# Altium PCB Dashcam.PcbDoc (part 1 of 6) (continued)
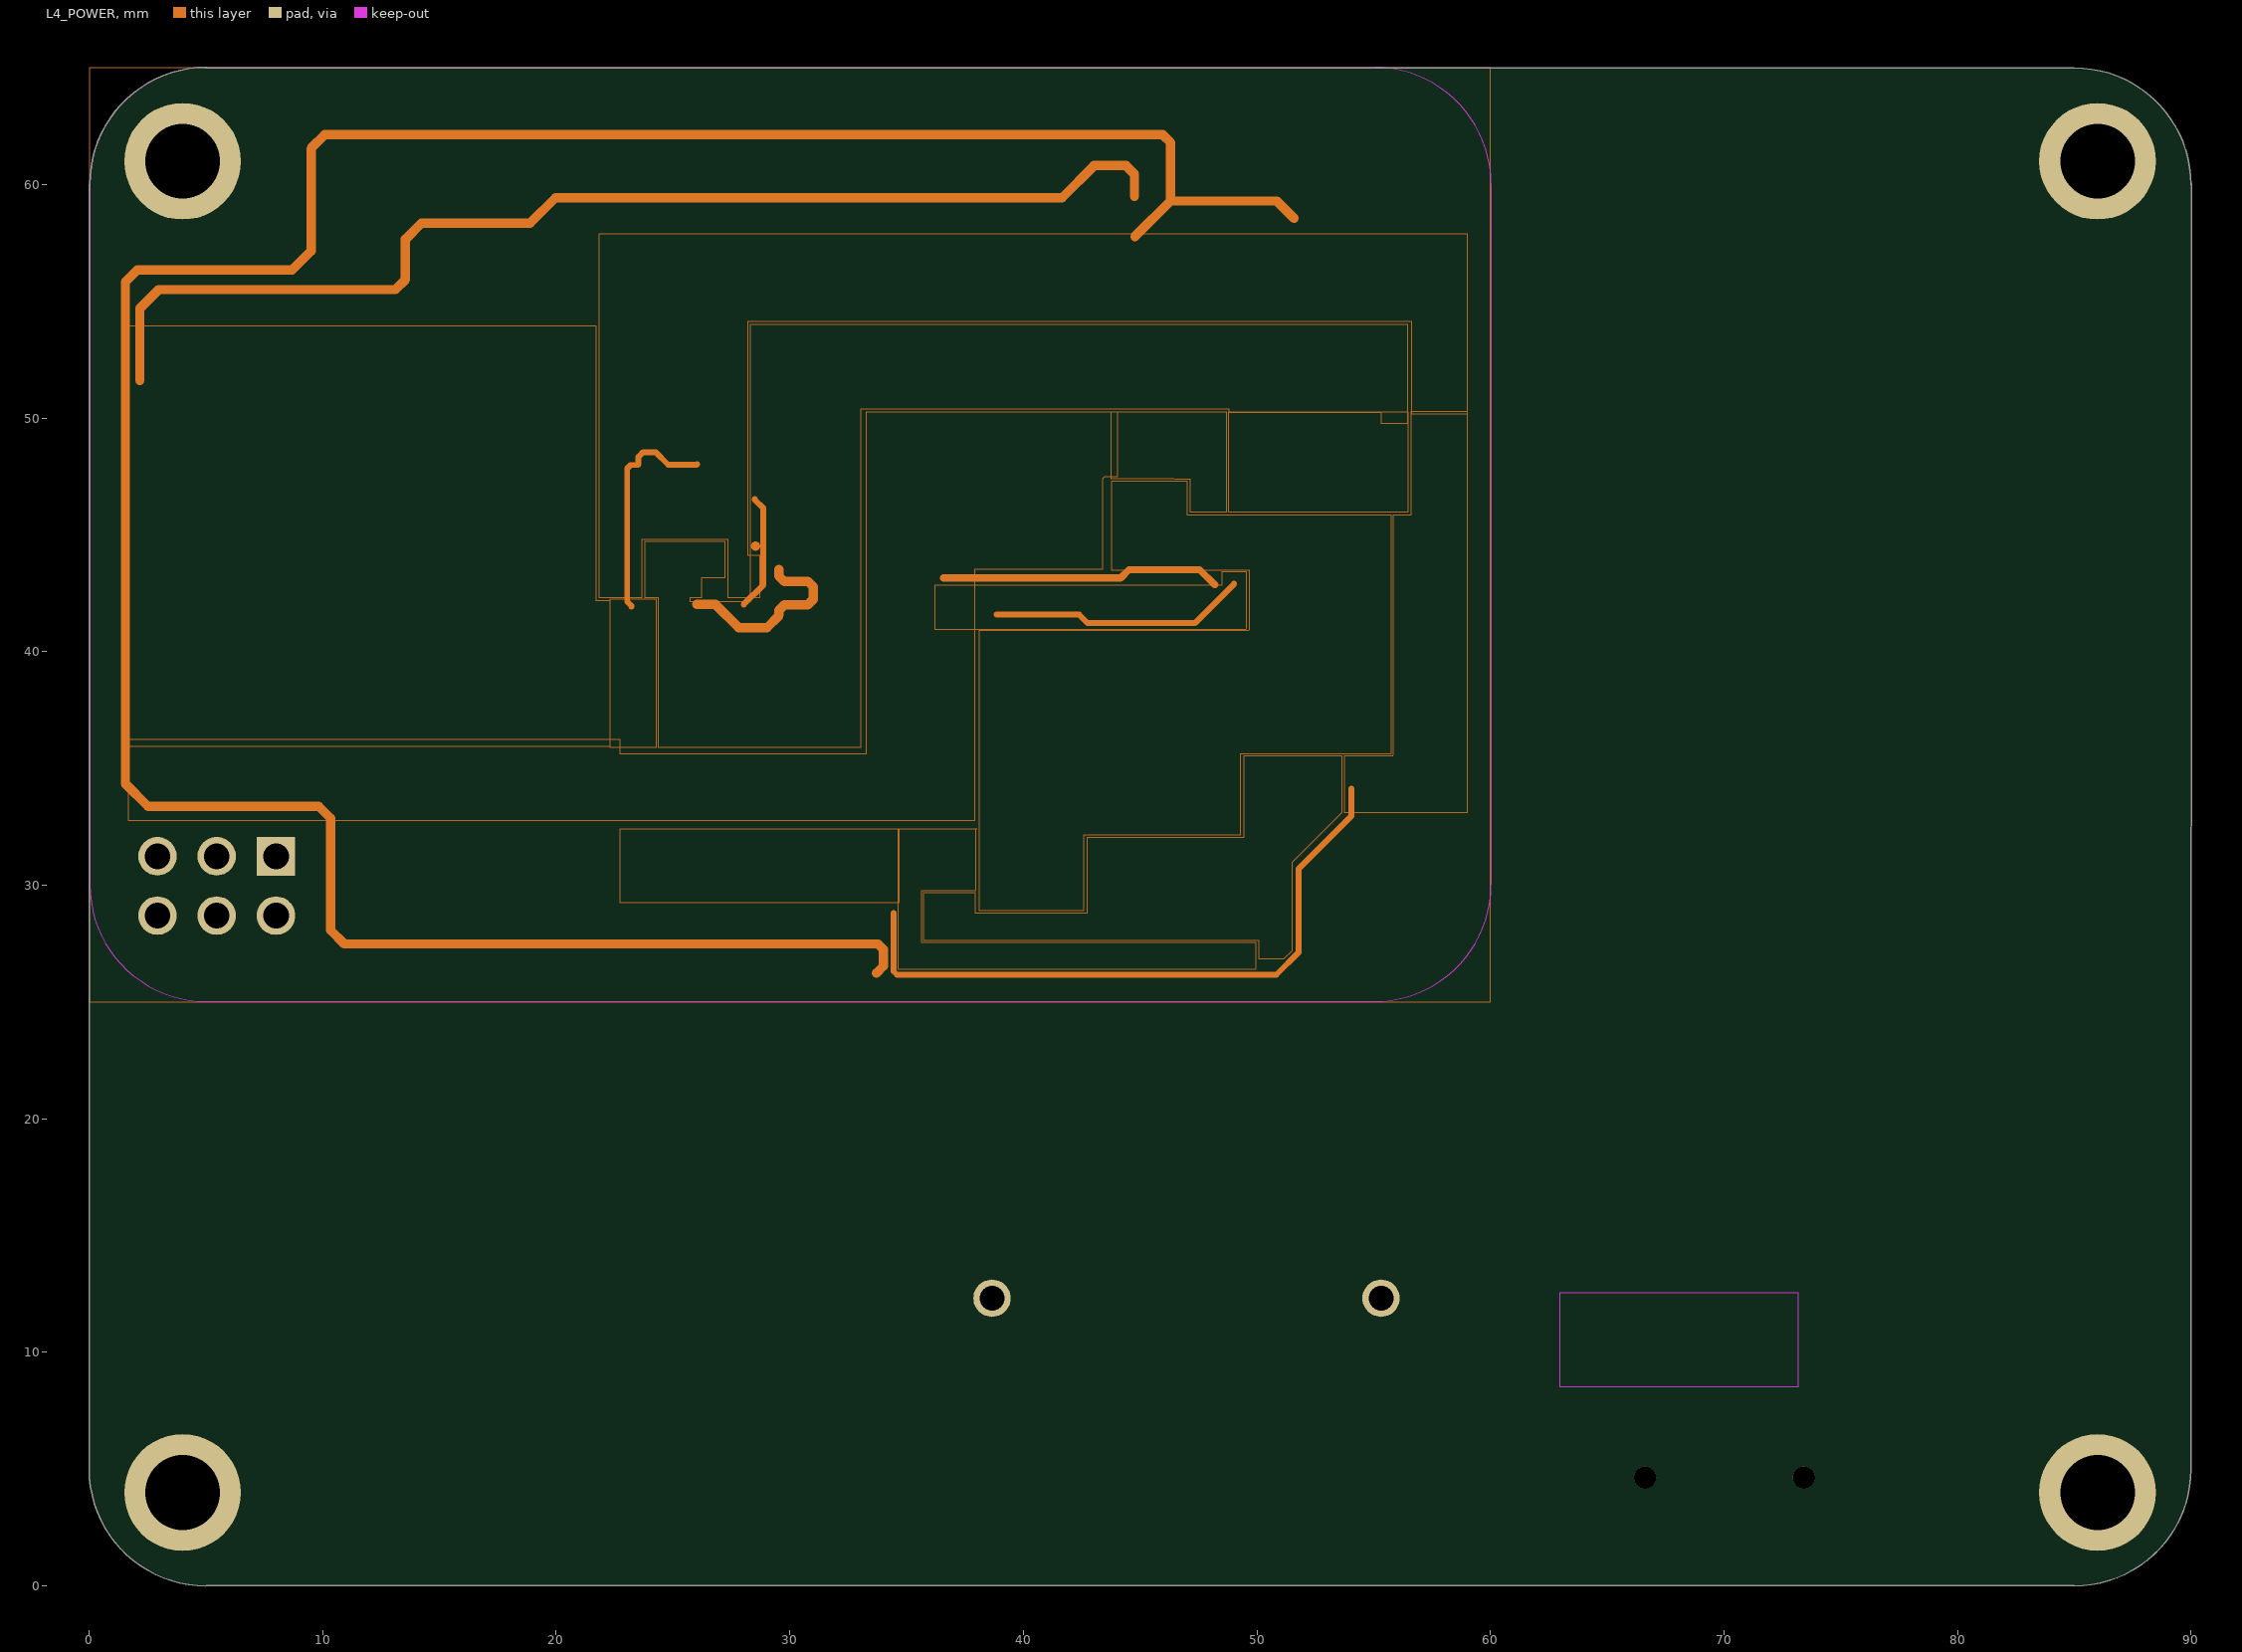
[diagram p4: L4_POWER]
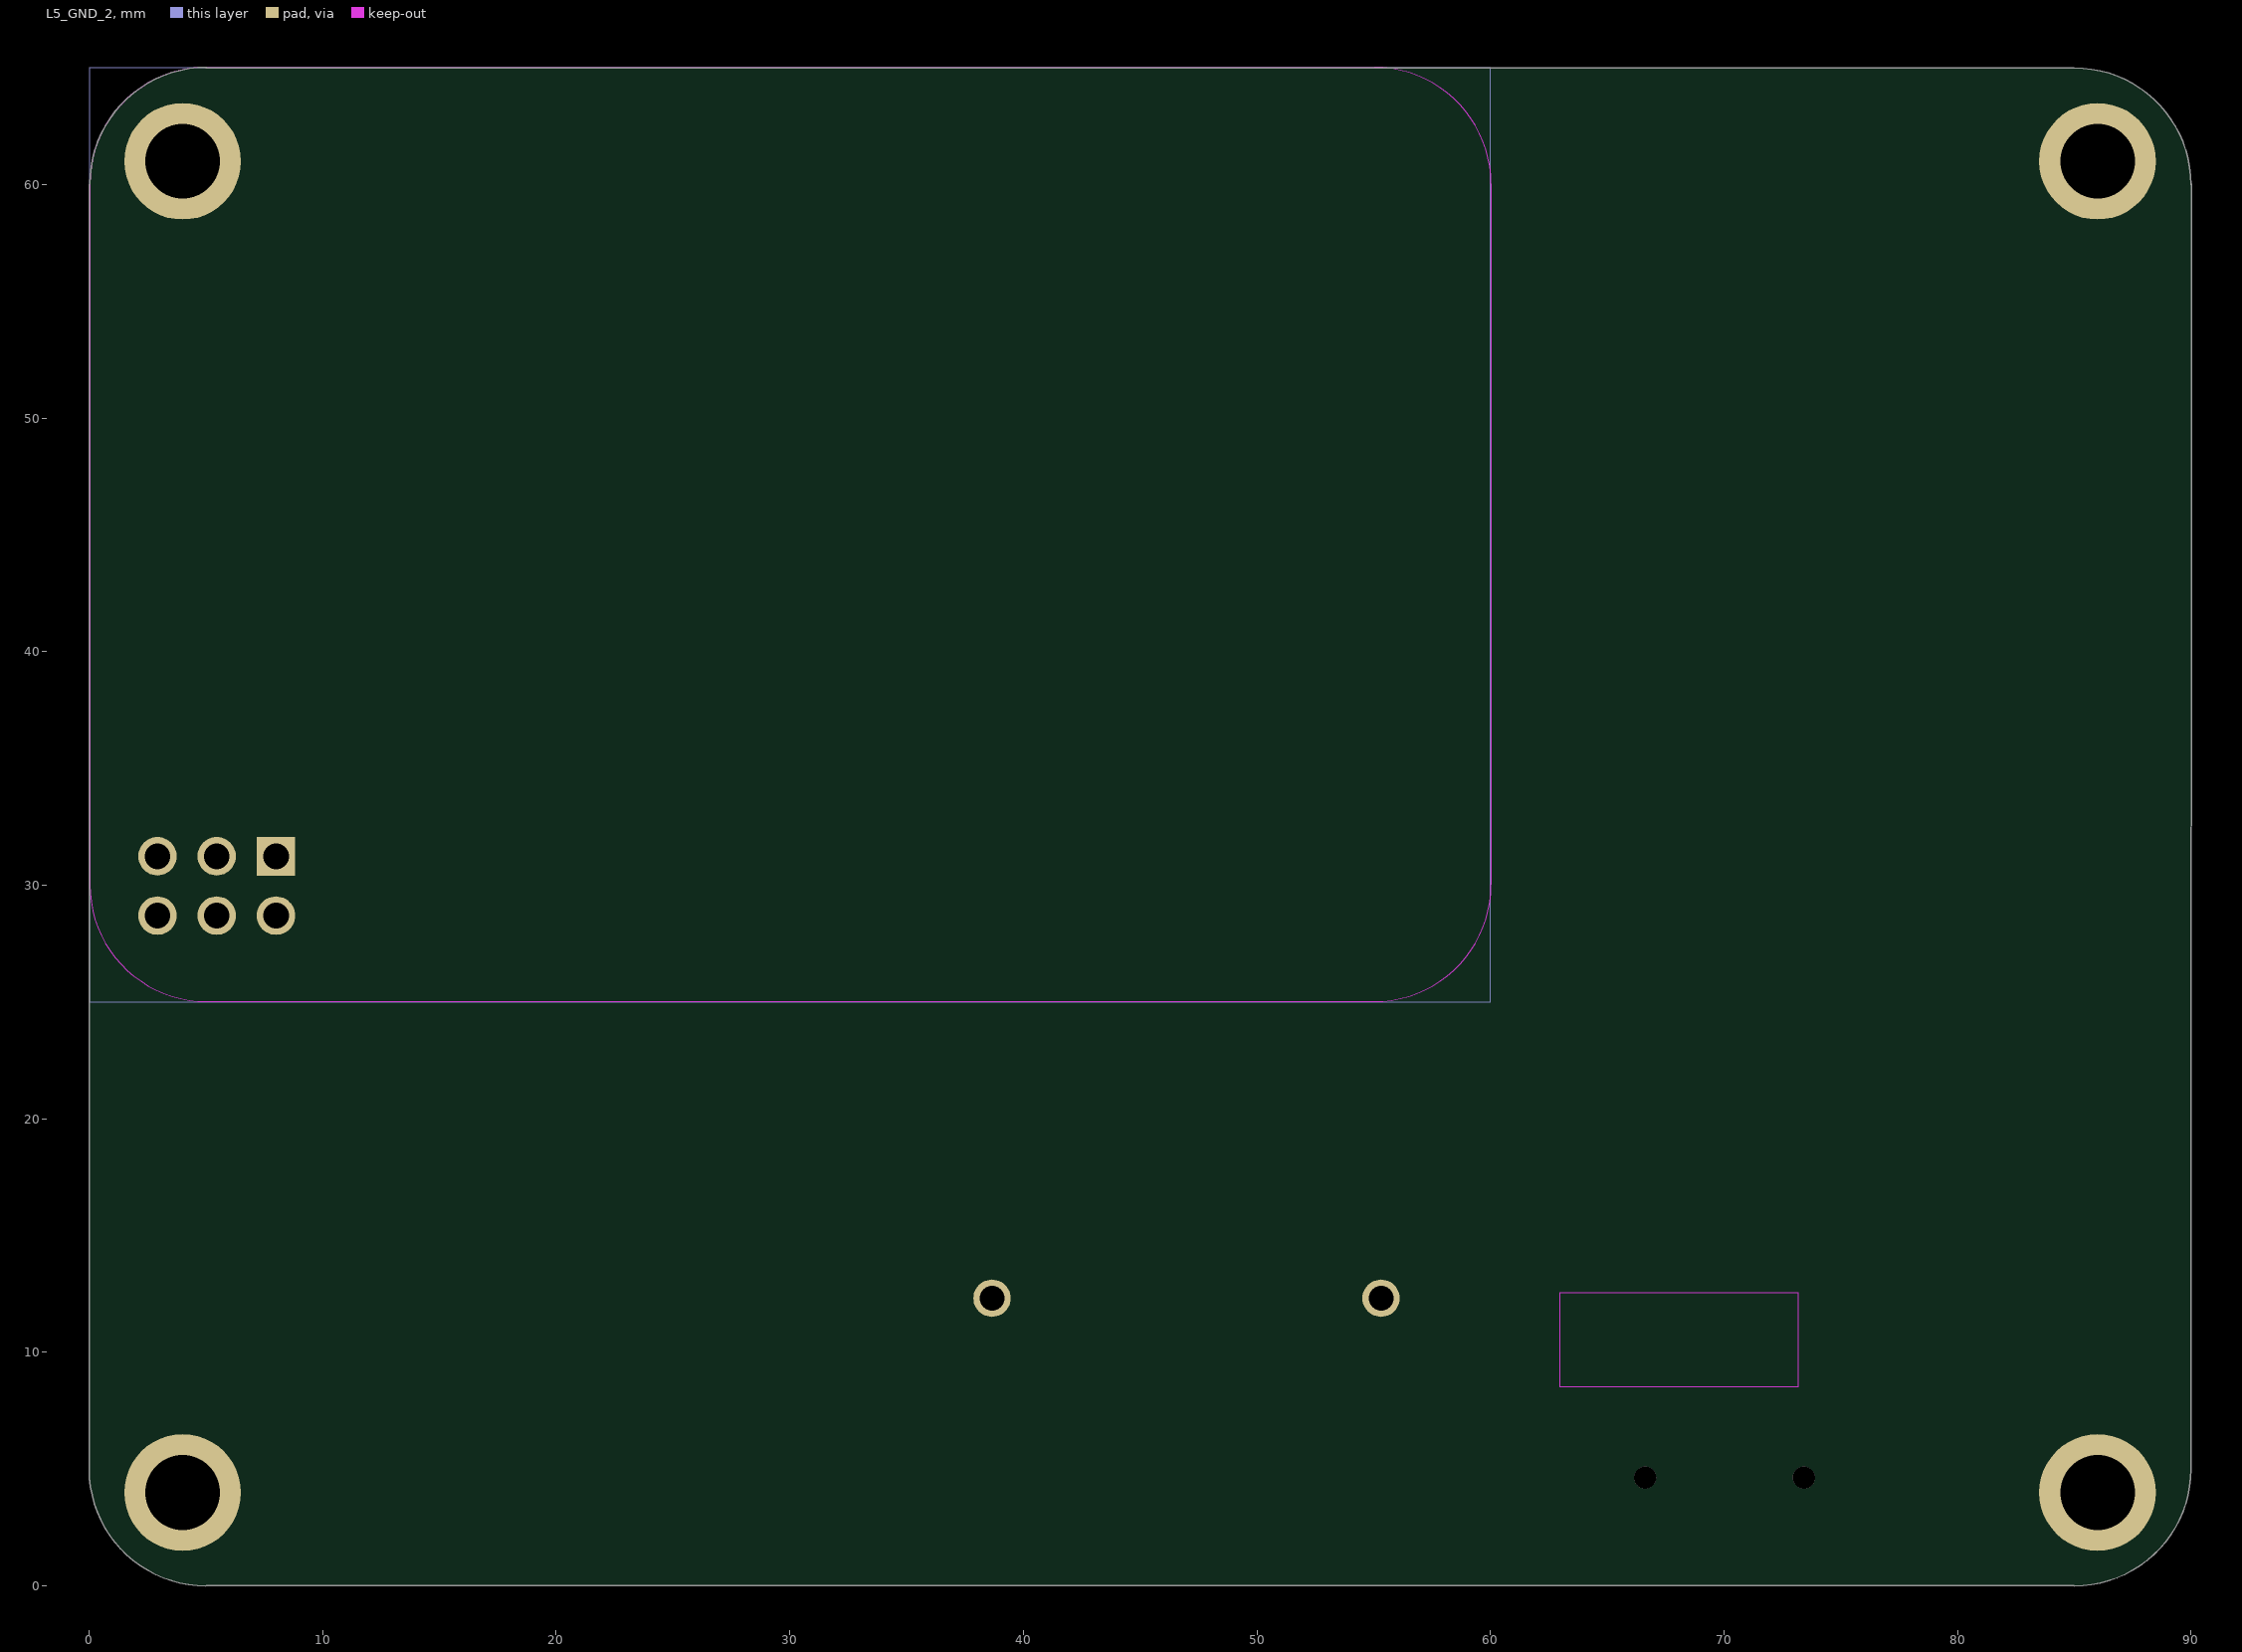
[diagram p5: L5_GND_2]

## Layer stack, top to bottom
Top solder: solder mask 0.0102, SM-001, Dk 3.5
TOP: signal copper 0.0292
Dielectric 1: core 0.0635, FR-4, Dk 3.49
L2_GND: signal copper 0.0305
Dielectric 2: core 0.0749, FR-4, Dk 3.97
L3_IN1: signal copper 0.0305
Dielectric 3: core 0.6706, FR-4, Dk 4.2
L4_POWER: signal copper 0.0305
Dielectric 4: core 0.0749, FR4, Dk 3.97
L5_GND_2: signal copper 0.0305
Dielectric 5: core 0.0635, FR-4, Dk 3.49
BOTTOM: signal copper 0.0292
Bottom Solder: solder mask 0.0254, SM-001, Dk 4

## Board outline
0,5 0,60 0.028,60.025 cw(c5.028,60.025) 5.028,65.025 5,65 85,65 cw(c85,60) 90,60 90.028,60.025 89.999,5 90,5 cw(c85,5) 85,0 85,0.025 5.028,0.025 5,0 cw(c5,5)

## Design rules (kind name [scope] priority, off if disabled: settings)
BoardOutlineClearance [(InNet('GND')AND IsPolygon)] p1: gap=0.254 ignorepadtopadclearanceinfootprint=FALSE except(-0.05: Poly-OutlineEdge; 0: Arc-SplitContinuation Track-SplitContinuation SMDPad-SplitContinuation THPad-SplitContinuation Via-SplitContinuation Fill-SplitContinuation Poly-SplitContinuation Region-SplitContinuation Text-SplitContinuation)
Clearance Clearance_DIFF_PAIRS [InNetClass('Z85')] p1: gap=0.1 ignorepadtopadclearanceinfootprint=TRUE except(0.01: Arc-Arc Arc-Track Arc-SMDPad Track-Track Track-SMDPad)
Clearance SD [WithinRoom('SD_TOP') or WithinRoom('SD_BOT')] p2: gap=0.1 ignorepadtopadclearanceinfootprint=TRUE except(0.01: Arc-SMDPad Arc-Via Track-SMDPad Track-Via SMDPad-Via)
Clearance BGA_Polygon [All vs InPolygonClass('BGA_POLY')] p3: gap=0.1 ignorepadtopadclearanceinfootprint=TRUE
Clearance MCU [WithinRoom('BGA_TOP') or WithinRoom('BGA_BOT')] p4: gap=0.01 ignorepadtopadclearanceinfootprint=FALSE except(0.1: Arc-Fill Arc-Poly Arc-Region Track-Fill Track-Poly Track-Region SMDPad-Fill SMDPad-Poly SMDPad-Region Via-Fill Via-Poly Via-Region Fill-Fill Fill-Poly Fill-Region Poly-Poly Poly-Region Region-Region)
Clearance High_Voltage [InPoly vs InNetClass('HV')] p5: gap=0.4 ignorepadtopadclearanceinfootprint=TRUE
Clearance ALL-Polygon [All vs InPolygon] p6: gap=0.254 ignorepadtopadclearanceinfootprint=FALSE
Clearance Via-Pad [IsVia vs IsPad] p7: gap=0.102 ignorepadtopadclearanceinfootprint=FALSE
Clearance Pad-Pad [IsPad vs IsPad] p8: gap=0.127 ignorepadtopadclearanceinfootprint=TRUE
Clearance ALL-ALL [All] p9: gap=0.1 ignorepadtopadclearanceinfootprint=TRUE
ComponentClearance J1_Con_Clearance [InComponent('J1')] p1: gap=-100 collisioncheckmode=3 verticalgap=-100 showdistances=TRUE
ComponentClearance [All] p2: gap=0.254 collisioncheckmode=3 verticalgap=0.178 showdistances=TRUE
DiffPairsRouting DIFF85 [InDifferentialPairClass('Z85')] p1: maxlimit=0.127 minlimit=0.07 mostfreqgap=0.127 toplayer_maxgap=0.07 toplayer_prefgap=0.07 toplayer_minwidth=0.086 toplayer_maxwidth=0.086 toplayer_prefwidth=0.086 midlayer1_mingap=0.127 midlayer1_minwidth=0.062 midlayer1_maxwidth=0.062 midlayer1_prefwidth=0.062 midlayer2_mingap=0.127 midlayer2_minwidth=0.074 midlayer2_maxwidth=0.074 midlayer2_prefwidth=0.074 midlayer3_mingap=0.127 midlayer3_minwidth=0.085 midlayer3_maxwidth=0.085 midlayer3_prefwidth=0.085 midlayer4_mingap=0.127 midlayer4_minwidth=0.062 midlayer4_maxwidth=0.062 midlayer4_prefwidth=0.062 bottomlayer_maxgap=0.07 bottomlayer_prefgap=0.07 bottomlayer_minwidth=0.086 bottomlayer_maxwidth=0.086 bottomlayer_prefwidth=0.086 impedanceprofiledriven=TRUE impedanceprofileid={1B18FFBC-9492-49FF-BB35-B6E47DB3C0E6} impedanceprofilevalue=85.000000 maxuncoupledlength=12.7
DiffPairsRouting DIFF100 [InDifferentialPairClass('Z100')] p2: maxlimit=0.127 minlimit=0.117 mostfreqgap=0.127 toplayer_maxgap=0.117 toplayer_prefgap=0.117 toplayer_minwidth=0.117 toplayer_maxwidth=0.117 toplayer_prefwidth=0.117 midlayer1_mingap=0.127 midlayer1_minwidth=0.039 midlayer1_maxwidth=0.039 midlayer1_prefwidth=0.039 midlayer2_mingap=0.127 midlayer2_minwidth=0.052 midlayer2_maxwidth=0.052 midlayer2_prefwidth=0.052 midlayer3_mingap=0.127 midlayer3_minwidth=0.051 midlayer3_maxwidth=0.051 midlayer3_prefwidth=0.051 midlayer4_mingap=0.127 midlayer4_minwidth=0.039 midlayer4_maxwidth=0.039 midlayer4_prefwidth=0.039 bottomlayer_maxgap=0.117 bottomlayer_prefgap=0.117 bottomlayer_minwidth=0.117 bottomlayer_maxwidth=0.117 bottomlayer_prefwidth=0.117 impedanceprofiledriven=TRUE impedanceprofileid={ED02192B-BE32-4279-82CE-901E357A3B25} impedanceprofilevalue=100.000000 maxuncoupledlength=12.7
DiffPairsRouting DIFF90 [InDifferentialPairClass('Z90')] p3: maxlimit=0.127 minlimit=0.102 mostfreqgap=0.127 toplayer_maxgap=0.102 toplayer_prefgap=0.102 toplayer_minwidth=0.102 toplayer_maxwidth=0.102 toplayer_prefwidth=0.102 midlayer1_mingap=0.127 midlayer1_minwidth=0.054 midlayer1_maxwidth=0.054 midlayer1_prefwidth=0.054 midlayer2_mingap=0.127 midlayer2_minwidth=0.081 midlayer2_maxwidth=0.081 midlayer2_prefwidth=0.081 midlayer3_mingap=0.127 midlayer3_minwidth=0.072 midlayer3_maxwidth=0.072 midlayer3_prefwidth=0.072 midlayer4_mingap=0.127 midlayer4_minwidth=0.054 midlayer4_maxwidth=0.054 midlayer4_prefwidth=0.054 bottomlayer_maxgap=0.102 bottomlayer_prefgap=0.102 bottomlayer_minwidth=0.081 bottomlayer_maxwidth=0.081 bottomlayer_prefwidth=0.081 impedanceprofiledriven=TRUE impedanceprofileid={AB8ACA24-E527-4260-B937-E222CB668D48} impedanceprofilevalue=90.000000 maxuncoupledlength=12.7
Height Height_BOT [(OnLayer('Bottom Layer'))] p2: minheight=0 maxheight=6 prefheight=4
HoleSize [All] p1 off: absolutevalues=TRUE maxlimit=2.54 minlimit=0.025 maxpercent=80.000 minpercent=20.000
HoleToHoleClearance [All] p1: gap=0.009 allowstackedmicrovias=TRUE
MatchedLengths MatchedLengths_eMMC [InNetClass('eMMC')] p1: tolerance=0.1 checknetsindiffpair=FALSE checkdiffpairvsdiffpair=TRUE checkxsignals=TRUE checkothers=TRUE
MatchedLengths DIFF_PAIRS_Z90 [InDifferentialPairClass('Z90')] p2: tolerance=0.1 checknetsindiffpair=TRUE checkdiffpairvsdiffpair=FALSE checkxsignals=FALSE checkothers=FALSE
MatchedLengths DIFF_PAIRS_Z100 [InDifferentialPairClass('Z100')] p3: tolerance=0.1 checknetsindiffpair=TRUE checkdiffpairvsdiffpair=FALSE checkxsignals=FALSE checkothers=FALSE
MatchedLengths ADD_CMD_CTRLB_G3 [InNetClass('ADD_CMD_CTRLB_G3')] p4: tolerance=0.1 checknetsindiffpair=FALSE checkdiffpairvsdiffpair=TRUE checkxsignals=TRUE checkothers=TRUE
MatchedLengths ADD_CMD_CTRLB_G2 [InNetClass('ADD_CMD_CTRLB_G2')] p5: tolerance=0.1 checknetsindiffpair=FALSE checkdiffpairvsdiffpair=TRUE checkxsignals=TRUE checkothers=TRUE
MatchedLengths ADD_CMD_CTRLB_G1 [InNetClass('ADD_CMD_CTRLB_G1')] p6: tolerance=0.1 checknetsindiffpair=FALSE checkdiffpairvsdiffpair=TRUE checkxsignals=TRUE checkothers=TRUE
MatchedLengths ADD_CMD_CTRLA_G3 [InNetClass('ADD_CMD_CTRLA_G3')] p7: tolerance=0.1 checknetsindiffpair=FALSE checkdiffpairvsdiffpair=TRUE checkxsignals=TRUE checkothers=TRUE
MatchedLengths ADD_CMD_CTRLA_G2 [InNetClass('ADD_CMD_CTRLA_G2')] p8: tolerance=0.1 checknetsindiffpair=FALSE checkdiffpairvsdiffpair=TRUE checkxsignals=TRUE checkothers=TRUE
MatchedLengths ADD_CMD_CTRLA_G1 [InNetClass('ADD_CMD_CTRLA_G1')] p9: tolerance=0.1 checknetsindiffpair=FALSE checkdiffpairvsdiffpair=TRUE checkxsignals=TRUE checkothers=TRUE
MatchedLengths DIIFF_PAIRS_Z85 [InDifferentialPairClass('All Differential Pairs')] p10: tolerance=0.1 checknetsindiffpair=TRUE checkdiffpairvsdiffpair=FALSE checkxsignals=FALSE checkothers=FALSE
MinimumSolderMaskSliver [All] p1: minsoldermaskwidth=0.007
PlaneConnect PlaneConnect_1 [IsVia] p1: planeconnectstyle=Direct reliefexpansion=0.508 reliefentries=4 reliefconductorwidth=0.254 reliefairgap=0.254
PlaneConnect [IsPad] p2: planeconnectstyle=Direct reliefexpansion=0.5 reliefentries=4 reliefconductorwidth=0.3 reliefairgap=0.25
PolygonConnect [IsPolygon vs IsPad] p1: connectstyle=Direct reliefconductorwidth=0.3 reliefentries=4 polygonreliefangle="90 Angle" airgapwidth=0.3
PolygonConnect Polygon_Via [IsPolygon vs IsVia] p2: connectstyle=Direct reliefconductorwidth=0.254 reliefentries=4 polygonreliefangle="90 Angle" airgapwidth=0.254
RoutingVias [All] p1: holewidth=0.203 width=1 viastyle="Through Hole" minholewidth=0.203 minwidth=0.355 maxholewidth=3.3 maxwidth=1.27
SilkToSilkClearance [All] p1: silktosilkclearance=0.152
SilkToSolderMaskClearance SilkscreenOverComponentPads [IsPad] p1: minsilkscreentomaskgap=0.002 clearancetoexposedcopper=TRUE
SolderMaskExpansion SolderMaskExpVia [IsVia] p1: expansion=-0.076 istentingtop=TRUE
SolderMaskExpansion SolderMaskExpPad [IsPad] p2: expansion=0.051 istentingtop=FALSE
SupplyNets "Schematic Supply Nets_26" [InNet('VSD_3V3')] p1: voltage=0.000
SupplyNets "Schematic Supply Nets_24" [InNet('VDDA_1V8')] p2: voltage=0.000
SupplyNets "Schematic Supply Nets_23" [InNet('VSYS_5V')] p3: voltage=0.000
SupplyNets "Schematic Supply Nets_22" [InNet('VBUS_IN')] p4: voltage=0.000
SupplyNets "Schematic Supply Nets_21" [InNet('VDD_SNVS_0V8')] p5: voltage=0.000
SupplyNets "Schematic Supply Nets_20" [InNet('VDD_1V8_3')] p6: voltage=0.000
SupplyNets "Schematic Supply Nets_19" [InNet('GND')] p7: voltage=0.000
SupplyNets "Schematic Supply Nets_18" [InNet('VDD_ARM')] p8: voltage=0.000
SupplyNets "Schematic Supply Nets_17" [InNet('VDD_1V8')] p9: voltage=0.000
SupplyNets "Schematic Supply Nets_16" [InNet('AGND3')] p10: voltage=0.000
SupplyNets "Schematic Supply Nets_15" [InNet('NVCC_SD2')] p11: voltage=0.000
SupplyNets "Schematic Supply Nets_14" [InNet('VGPS_3V3')] p12: voltage=0.000
SupplyNets "Schematic Supply Nets_13" [InNet('AGND1')] p13: voltage=0.000
SupplyNets "Schematic Supply Nets_12" [InNet('VSYS')] p14: voltage=0.000
SupplyNets "Schematic Supply Nets_11" [InNet('VIN')] p15: voltage=0.000
SupplyNets "Schematic Supply Nets_10" [InNet('AFGND2')] p16: voltage=0.000
SupplyNets "Schematic Supply Nets_9" [InNet('DCDC_3V3')] p17: voltage=0.000
SupplyNets "Schematic Supply Nets_8" [InNet('VDD_SOC')] p18: voltage=0.000
SupplyNets "Schematic Supply Nets_7" [InNet('WIFI_1V8')] p19: voltage=0.000
SupplyNets "Schematic Supply Nets_6" [InNet('NVCC_DRAM_1V1')] p20: voltage=0.000
SupplyNets "Schematic Supply Nets_5" [InNet('VEXT_3V3')] p21: voltage=0.000
SupplyNets "Schematic Supply Nets_4" [InNet('NVCC_SNVS_1V8')] p22: voltage=0.000
SupplyNets "Schematic Supply Nets_3" [InNet('VDD_3V3')] p23: voltage=0.000
SupplyNets "Schematic Supply Nets_2" [InNet('AGND2')] p24: voltage=0.000
SupplyNets "Schematic Supply Nets_1" [InNet('AFGND3')] p25: voltage=0.000
SupplyNets "Schematic Supply Nets" [InNet('AFGND1')] p26: voltage=0.000
Width POWER [InNetClass('POWER')] p1: maxlimit=1 minlimit=0.254 preferedwidth=0.3
Width 50Ohm [InNetClass('BANK_A') OR InNetClass('BANK_B') OR InNetClass('DATA_A') OR InNetClass('DATA_B')] p2: maxlimit=0.129 minlimit=0.046 preferedwidth=0.129 toplayer_minwidth=0.12 toplayer_maxwidth=0.12 toplayer_prefwidth=0.12 midlayer1_maxwidth=0.046 midlayer1_prefwidth=0.046 midlayer2_minwidth=0.089 midlayer2_maxwidth=0.089 midlayer2_prefwidth=0.089 midlayer3_minwidth=0.088 midlayer3_maxwidth=0.088 midlayer3_prefwidth=0.088 midlayer4_maxwidth=0.046 midlayer4_prefwidth=0.046 bottomlayer_minwidth=0.129 impedanceprofiledriven=TRUE impedanceprofileid={1991FA12-7785-478B-9A98-AD93C4A866C0} impedanceprofilevalue=50.000000 minimp=50.000000 maximp=50.000000 favimp=50.000000
Width [All] p3: maxlimit=1 minlimit=0.085 preferedwidth=0.127
22 further rules are at their usual default settings.

## Classes and differential pairs
net class JTAG: JTAG_TCK JTAG_TDI JTAG_TDO JTAG_TMS
net class MICROSD: SD2_CLK SD2_CMD SD2_DATA0 SD2_DATA1 SD2_DATA2 SD2_DATA3 SD2_nCD
net class Z50: GPS_ANT NetANT1_1 NetC162_2 NetFL1_2 RF_5GHZ_WF
component class S: C158 C159 C160 C161 D8 D9 D10 D11 D12 D13 J2 J3
net class Z85: DRAM_CK_A_N DRAM_CK_A_P DRAM_CK_B_N DRAM_CK_B_P DRAM_SDQS0_A_N DRAM_SDQS0_A_P DRAM_SDQS0_B_N DRAM_SDQS0_B_P DRAM_SDQS1_A_N DRAM_SDQS1_A_P DRAM_SDQS1_B_N DRAM_SDQS1_B_P
net class CSI2_Z100: CSI2_CK_N CSI2_CK_P CSI2_D0_N CSI2_D0_P CSI2_D1_N CSI2_D1_P CSI2_D2_N CSI2_D2_P CSI2_D3_N CSI2_D3_P
net class CSI1_Z100: CSI1_CK_N CSI1_CK_P CSI1_D0_N CSI1_D0_P CSI1_D1_N CSI1_D1_P CSI1_D2_N CSI1_D2_P CSI1_D3_N CSI1_D3_P
differential pair class Z100: CSI1_CK CSI1_D0 CSI1_D1 CSI1_D2 CSI1_D3 CSI2_CK CSI2_D0 CSI2_D1 CSI2_D2 CSI2_D3 DSI_CK DSI_D0 DSI_D1 DSI_D2 DSI_D3 LVDS0_CLK LVDS0_TX0 LVDS0_TX1 LVDS0_TX2 LVDS0_TX3 LVDS1_CLK LVDS1_TX0 LVDS1_TX1 LVDS1_TX2 LVDS1_TX3
differential pair class Z90: 4G_USB_D USB1_D USB1_RX USB1_TX USB2_RX USB2_TX
differential pair class Z85: DRAM_CK_A DRAM_CK_B DRAM_SDQS0_A DRAM_SDQS0_B DRAM_SDQS1_A DRAM_SDQS1_B
net class IMU: I2C2_SDA I2C3_SCL I2C3_SDA I2C4_SCL I2C4_SDA
net class I2C: I2C1_SCL I2C1_SDA I2C2_SCL I2C2_SDA I2C3_SCL I2C3_SDA I2C4_SCL I2C4_SDA
net class eMMC: SD3_CLK SD3_CMD SD3_DATA0 SD3_DATA1 SD3_DATA2 SD3_DATA3 SD3_DATA4 SD3_DATA5 SD3_DATA6 SD3_DATA7 SD3_STROBE
differential pair 4G_USB_D: +4G_USB_D_P -4G_USB_D_N
differential pair USB2_TX: +USB2_TX_P -USB2_TX_N
differential pair USB2_RX: +USB2_RX_P -USB2_RX_N
differential pair USB1_TX: +USB1_TX_P -USB1_TX_N
differential pair USB1_RX: +USB1_RX_P -USB1_RX_N
differential pair USB1_D: +USB1_D_P -USB1_D_N
differential pair DRAM_SDQS1_B: +DRAM_SDQS1_B_P -DRAM_SDQS1_B_N
differential pair DRAM_SDQS1_A: +DRAM_SDQS1_A_P -DRAM_SDQS1_A_N
differential pair DRAM_SDQS0_B: +DRAM_SDQS0_B_P -DRAM_SDQS0_B_N
differential pair DRAM_SDQS0_A: +DRAM_SDQS0_A_P -DRAM_SDQS0_A_N
differential pair DRAM_CK_B: +DRAM_CK_B_P -DRAM_CK_B_N
differential pair DRAM_CK_A: +DRAM_CK_A_P -DRAM_CK_A_N
differential pair CSI2_D3: +CSI2_D3_P -CSI2_D3_N
differential pair CSI2_D2: +CSI2_D2_P -CSI2_D2_N
differential pair CSI2_D1: +CSI2_D1_P -CSI2_D1_N
differential pair CSI2_D0: +CSI2_D0_P -CSI2_D0_N
differential pair CSI2_CK: +CSI2_CK_P -CSI2_CK_N
differential pair CSI1_D3: +CSI1_D3_P -CSI1_D3_N
differential pair CSI1_D2: +CSI1_D2_P -CSI1_D2_N
differential pair CSI1_D1: +CSI1_D1_P -CSI1_D1_N
differential pair CSI1_D0: +CSI1_D0_P -CSI1_D0_N
differential pair CSI1_CK: +CSI1_CK_P -CSI1_CK_N
